# Altium PCB foxbms2-master.PcbDoc (part 9 of 11)
Units mil, origin at the board's own origin, x right, y up, seen from the top; angles counter-clockwise.
Board outline 7874.02 x 4724.41 mil, 8 copper layers (Top, Int1 (Sig), Int2 (Gnd), Int3 (Sig), Int4 (Sig), Int5 (Pwr), Int6 (Sig), Bottom), stack 64.41 mil thick; 912 components, 680 nets, 3159 pads, 2871 vias.
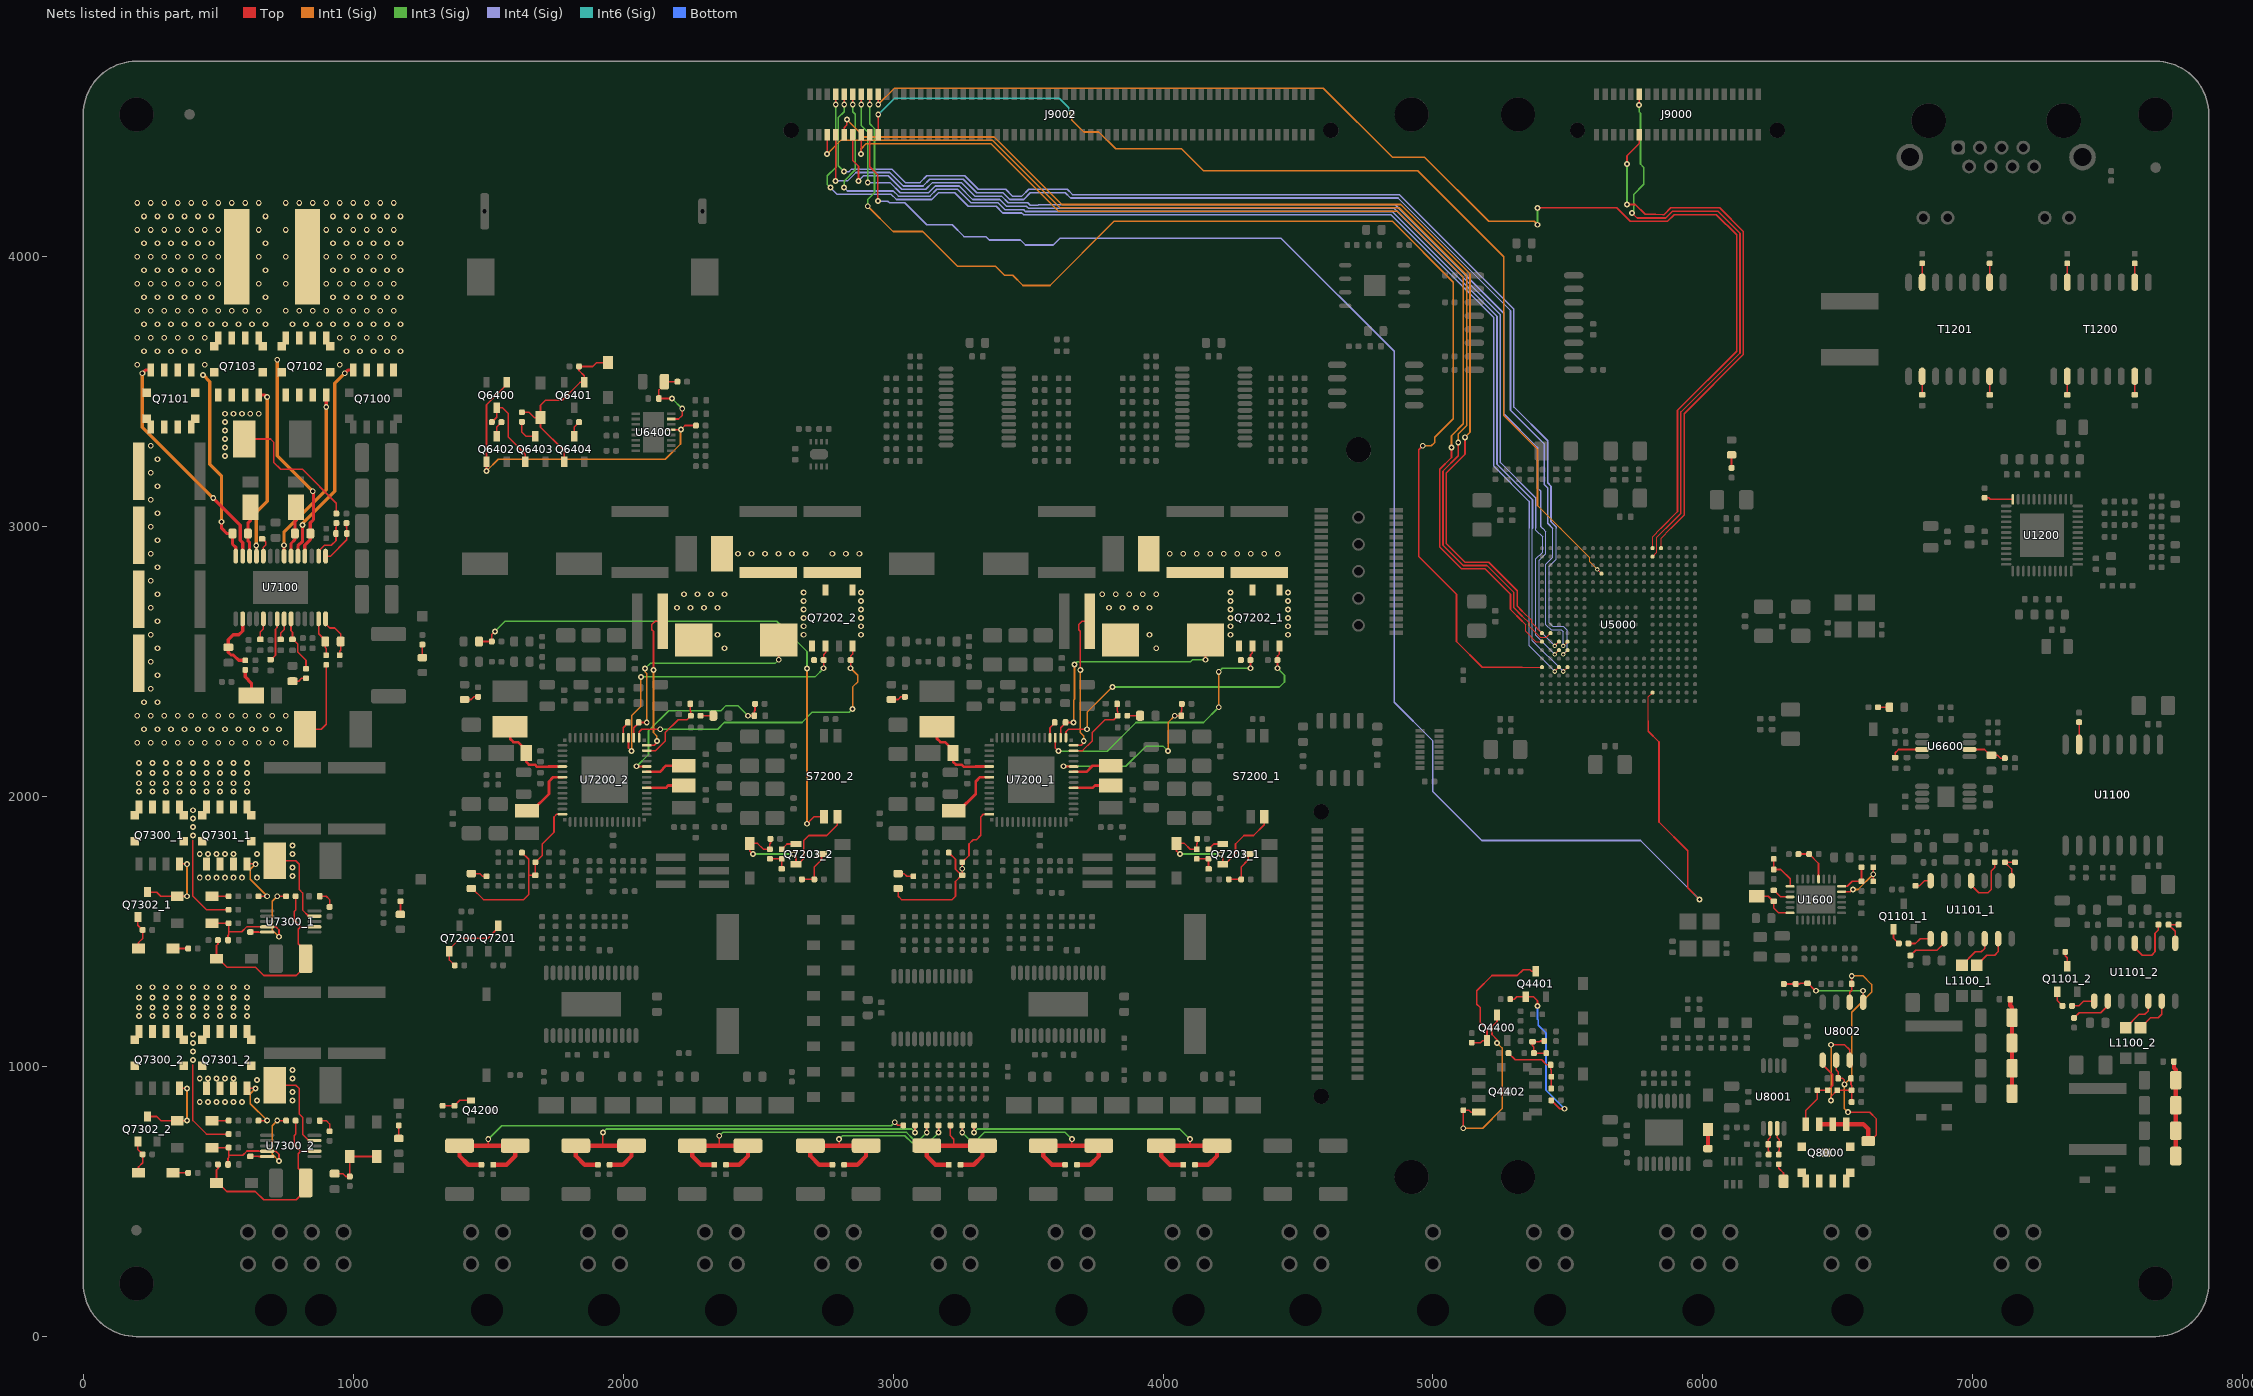
[diagram p15: the nets of this part, all layers, seen from the top]

## Via types
v1: diameter 21.65, hole 11.81, Top to Bottom, 1680 vias
v2: diameter 21.65, hole 11.81, Top to Bottom, tented both sides, 970 vias
v3: diameter 17.72, hole 7.87, Top to Bottom, tented both sides, 172 vias
v4: diameter 17.72, hole 7.87, Top to Bottom, 23 vias
v5: diameter 29.53, hole 19.68, Top to Bottom, tented both sides, 17 vias
v6: diameter 29.53, hole 19.68, Top to Bottom, 9 vias

## Nets (pads, with @x,y where several pads share a name; then routed paths per layer and width w, separated by ;. In a path a pad name is that pad's centre, name@x,y a point inside that pad or via, vN(x,y) a via of type N, cw(c..) or ccw(c..) an arc to the next point about the centre after c; other vN are vias at no path point) (continued)
MCU_SPI4.SIMO_1: J9000.12 U5000.W5 | length 2069.7
  Top w4: U5000.W5@5844.98,2920.96 5844.98,2957.48 5881.25,2993.75
  Top w6: v1(5718.75,4193.75) 5750,4193.75 5786.44,4157.31 5825.04,4157.31 5851.28,4156.25 5856.25,4156.25 5858.01,4158.01 5881.25,4181.25 6062.5,4181.25 6150,4093.75 6150,3637.88 5931.25,3419.13 5931.25,3043.75 5881.25,2993.75 ; v1(5718.75,4343.75) 5718.75,4374.37 5763.78,4419.4 J9000.12@5763.78,4452.76
  Int3 (Sig) w6: v1(5718.75,4193.75) v1(5718.75,4343.75)
MCU_SPI4.SOMI_1: J9000.11 U5000.V6 | length 2249.2
  Top w4: U5000.V6@5813.48,2889.47 5829.23,2905.22 5829.23,2960.48 5862.5,2993.75
  Top w6: v1(5737.5,4162.5) 5756.25,4143.75 5862.5,4143.75 5887.5,4168.75 6056.25,4168.75 6137.5,4087.5 6137.5,3643.75 5918.75,3425 5918.75,3050 5862.5,2993.75 ; v1(5763.78,4562.5) J9000.11@5763.78,4602.36
  Int3 (Sig) w6: v1(5737.5,4162.5) 5737.5,4166.74 5743.75,4172.99 5743.75,4231.25 5781.25,4268.75 5781.25,4331.25 5768.75,4343.75 5768.75,4532.53 5763.78,4537.5 v1(5763.78,4562.5)
MCU_SPI5.\CS0_1: J9002.15 U5000.E19 | length 4730.7
  Top w4: 5331.25,2480.02 U5000.E19@5404.04,2480.02
  Top w6: v1(2913.39,4564.86) J9002.15@2913.39,4602.36 ; v1(4962.5,3300) 4947.87,3285.37 ccw(c5045.69,3276.8) 4947.5,3276.95 4947.5,2890 5087.5,2750 5087.5,2575 5182.48,2480.02 5331.25,2480.02
  Int3 (Sig) w6: v1(2906.25,4187.5) 2906.25,4212.5 2931.25,4237.5 2931.25,4475 2913.39,4492.86 v1(2913.39,4564.86)
  Int1 (Sig) w6: v1(2906.25,4187.5) 3000,4093.75 3109.81,4093.75 3237.88,3965.67 3378.08,3965.67 3412.5,3931.25 3443.75,3931.25 3481.25,3893.75 3581.25,3893.75 3818.75,4131.25 4850,4131.25 5075,3906.25 5075,3400 5006.25,3331.25 5006.25,3312.5 4993.75,3300 v1(4962.5,3300)
MCU_SPI5.\CS1_1: J9002.16 U5000.B6 | length 6118.6
  Top w4: 5797.74,2281.25 5797.74,2369.78 U5000.B6@5813.48,2385.53
  Top w6: J9002.16@2913.39,4452.76 2913.39,4333.54 2943.75,4303.17 v1(2943.75,4206.25) ; 5797.74,2281.25 5797.74,2242.29 5837.5,2202.53 5837.5,1906.25 5943.75,1800 5943.75,1662.5 v1(5987.5,1618.75)
  Int4 (Sig) w6: v1(2943.75,4206.25) 2980.24,4206.25 2986.49,4200 3043.75,4200 3125,4118.75 3218.75,4118.75 3262.5,4075 3343.75,4075 3356.25,4062.5 3471.83,4062.5 3490.58,4043.75 3593.75,4043.75 3618.75,4068.75 4437.5,4068.75 4856.25,3650 4856.25,2669.17 4856.25,2350 5000,2206.25 5000,2018.75 5181.25,1837.5 5768.75,1837.5 v1(5987.5,1618.75)
MCU_SPI5.\CS2_1: J9002.17 U5000.W6 | length 4866.2
  Top w4: U5000.W6@5813.48,2920.96 5813.48,2963.48 5843.75,2993.75
  Top w6: v1(2944.88,4564.86) J9002.17@2944.88,4602.36 ; v1(5387.5,4181.25) 5681.25,4181.25 5731.25,4131.25 5868.75,4131.25 5893.75,4156.25 6050,4156.25 6125,4081.25 6125,3650 5906.25,3431.25 5906.25,3056.25 5843.75,2993.75
  Int3 (Sig) w6: v1(5387.5,4118.75) v1(5387.5,4181.25)
  Int1 (Sig) w6: v1(2944.88,4564.86) 3005.02,4625 4593.75,4625 4850,4368.75 4968.75,4368.75 5206.25,4131.25 5375,4131.25 v1(5387.5,4118.75)
MCU_SPI5.\CS3_1: J9002.18 U5000.T12 | length 4003.8
  Top w4: v3(5608.76,2842.22) U5000.T12@5624.51,2826.48
  Top w6: J9002.18@2944.88,4452.76 v1(2944.88,4527.36)
  Int1 (Sig) w4: 5472.4,2993.75 5581.34,2884.82 5581.34,2869.65 v3(5608.76,2842.22)
  Int1 (Sig) w6: v1(3662.5,4531.25) 3662.5,4506.25 3706.25,4462.5 3762.5,4462.5 3825,4400 4068.75,4400 4150,4318.75 4943.75,4318.75 5262.5,4000 5262.5,3412.5 5387.5,3287.5 5387.5,3078.65 5472.4,2993.75
  Int6 (Sig) w6: v1(2944.88,4527.36) 3005.02,4587.5 3615.16,4587.5 3650.81,4551.84 3650.81,4542.94 v1(3662.5,4531.25)
MCU_SPI5.CLK_1: J9002.14 U5000.H19 | length 4141.8
  Top w4: 5331.25,2650 5343.75,2637.5 5343.75,2612.5 5381.74,2574.51 U5000.H19@5404.04,2574.51
  Top w6: v1(2881.59,4381.25) 2881.89,4381.55 J9002.14@2881.89,4452.76 ; v1(5068.75,3293.75) 5068.75,3256.25 5025,3212.5 5025,2925 5106.25,2843.75 5193.75,2843.75 5287.5,2750 5287.5,2693.75 5331.25,2650
  Int1 (Sig) w6: v1(2881.59,4381.25) 2881.59,4400.34 2900,4418.75 3362.5,4418.75 3612.5,4168.75 4868.75,4168.75 5112.5,3925 5112.5,3381.25 5068.75,3337.5 v1(5068.75,3293.75)
MCU_SPI5.SIMO0_1: J9002.10 U5000.J19 | length 4170.9
  Top w4: 5331.25,2687.5 5365.42,2653.33 5365.42,2644.62 U5000.J19@5404.04,2606
  Top w6: J9002.10@2818.9,4452.76 2818.9,4478.41 2828.74,4488.25 v1(2828.74,4508.61) ; v1(5118.75,3331.25) 5118.75,3268.75 5050,3200 5050,2937.5 5118.75,2868.75 5206.25,2868.75 5312.5,2762.5 5312.5,2706.25 5331.25,2687.5
  Int1 (Sig) w6: v1(2828.74,4508.61) 2893.6,4443.75 3375,4443.75 3625,4193.75 4881.25,4193.75 5137.5,3937.5 5137.5,3350 v1(5118.75,3331.25)
MCU_SPI5.SIMO1_1: J9002.11 U5000.E16 | length 4443.6
  Top w4: v3(5482.78,2464.27) U5000.E16@5498.52,2480.02
  Top w6: v1(2850.39,4564.86) J9002.11@2850.39,4602.36
  Int3 (Sig) w6: v1(2818.75,4256.25) 2818.75,4281.25 2859.94,4322.44 2859.94,4378.51 cw(c2881.59,4381.25) 2859.94,4383.99 2859.94,4527.66 2850.39,4537.2 v1(2850.39,4564.86)
  Int4 (Sig) w4: 5368.75,2993.75 5368.75,2578.3 v3(5482.78,2464.27)
  Int4 (Sig) w6: v1(2818.75,4256.25) 2831.25,4243.75 3001.08,4243.75 3019.83,4225 3137.16,4225 3162.16,4250 3238.39,4250 3288.39,4200 3388.85,4200 3414.68,4174.18 3483.68,4174.18 3489.87,4167.99 4849.69,4167.99 5237.5,3780.18 5237.5,3231.25 5368.75,3100 5368.75,2993.75
MCU_SPI5.SIMO2_1: J9002.12 U5000.H17 | length 4165.5
  Top w4: v3(5451.28,2558.76) U5000.H17@5467.03,2574.51
  Top w6: J9002.12@2850.39,4452.76 2850.39,4356.64 2871.75,4335.29 v1(2871.75,4281.25)
  Int4 (Sig) w4: 5406.25,2993.75 5418.75,2981.25 5418.75,2900 5393.75,2875 5393.75,2616.29 v3(5451.28,2558.76)
  Int4 (Sig) w6: v1(2871.75,4281.25) 2890.5,4300 2982.58,4300 3032.58,4250 3121.06,4250 3146.06,4275 3252.85,4275 3302.85,4225 3401.35,4225 3426.35,4200 3499.35,4200 3508.68,4190.67 3536.25,4190.67 3538.57,4192.99 4860.04,4192.99 5262.5,3790.53 5262.5,3418.75 5387.5,3293.75 5387.5,3143.75 5400,3131.25 5400,3000 5406.25,2993.75
MCU_SPI5.SIMO3_1: J9002.13 U5000.G17 | length 4289.2
  Top w4: v3(5451.28,2527.26) U5000.G17@5467.03,2543.01
  Top w6: v1(2881.89,4564.86) J9002.13@2881.89,4602.36
  Int3 (Sig) w6: v1(2881.89,4564.86) 2881.89,4486.86 2906.25,4462.5 v1(2906.25,4275)
  Int4 (Sig) w4: 5381.25,2993.75 5381.25,2987.5 5406.25,2962.5 5406.25,2906.25 5381.25,2881.25 5381.25,2597.29 v3(5451.28,2527.26)
  Int4 (Sig) w6: v1(2906.25,4275) 2988.58,4275 3026.08,4237.5 3130.91,4237.5 3155.91,4262.5 3244.64,4262.5 3294.64,4212.5 3395.1,4212.5 3420.1,4187.5 3493.75,4187.5 3500.76,4180.49 4854.86,4180.49 5250,3785.36 5250,3237.88 5381.25,3106.63 5381.25,2993.75
MCU_SPI5.SOMI0_1: J9002.6 U5000.J18 | length 4290.7
  Top w4: 5331.25,2668.75 5356.25,2643.75 5356.25,2631.25 5396.69,2590.81 5420.34,2590.81 U5000.J18@5435.53,2606
  Top w6: v1(2755.61,4381.25) 2755.91,4381.55 J9002.6@2755.91,4452.76 ; v1(5093.75,3312.5) 5093.75,3262.5 5037.5,3206.25 5037.5,2931.25 5112.5,2856.25 5200,2856.25 5300,2756.25 5300,2700 5331.25,2668.75
  Int1 (Sig) w6: v1(2755.61,4381.25) 2805.61,4431.25 3368.75,4431.25 3618.75,4181.25 4875,4181.25 5125,3931.25 5125,3375 5093.75,3343.75 v1(5093.75,3312.5)
MCU_SPI5.SOMI1_1: J9002.7 U5000.E17 | length 4467.7
  Top w4: v3(5451.28,2464.27) U5000.E17@5467.03,2480.02
  Top w6: v1(2787.4,4564.86) J9002.7@2787.4,4602.36
  Int3 (Sig) w6: v1(2767.86,4256.25) 2756.25,4267.86 2756.25,4300 2787.11,4330.86 2787.11,4564.57 v1(2787.4,4564.86)
  Int4 (Sig) w4: 5356.25,2993.75 5356.25,2559.3 v3(5451.28,2464.27)
  Int4 (Sig) w6: v1(2767.86,4256.25) 2792.86,4231.25 2993.75,4231.25 3012.5,4212.5 3143.41,4212.5 3168.41,4237.5 3228.54,4237.5 3278.54,4187.5 3381.78,4187.5 3406.78,4162.5 3477.36,4162.5 3484.37,4155.49 4844.51,4155.49 5225,3775 5225,3225 5356.25,3093.75 5356.25,2993.75
MCU_SPI5.SOMI2_1: J9002.8 U5000.H16 | length 4326.3
  Top w4: v3(5482.78,2558.76) U5000.H16@5498.52,2574.51
  Top w6: v1(2787.11,4281.25) 2787.4,4281.55 J9002.8@2787.4,4452.76
  Int4 (Sig) w4: 5443.75,2993.75 5443.75,2886.22 5418.75,2861.22 5418.75,2637.5 5437.5,2618.75 5475,2618.75 5482.78,2610.97 v3(5482.78,2558.76)
  Int4 (Sig) w6: v1(2787.11,4281.25) 2831.25,4281.25 2862.5,4312.5 2987.5,4312.5 3037.5,4262.5 3111.22,4262.5 3136.22,4287.5 3259.79,4287.5 3309.79,4237.5 3407.6,4237.5 3432.6,4212.5 3483.68,4212.5 3508.68,4237.5 3638.13,4237.5 3657.64,4217.99 4870.4,4217.99 5287.5,3800.89 5287.5,3431.25 5412.5,3306.25 5412.5,3156.25 5425,3143.75 5425,3012.5 5443.75,2993.75
MCU_SPI5.SOMI3_1: J9002.9 U5000.G16 | length 4478.8
  Top w4: v3(5482.78,2527.26) U5000.G16@5498.52,2543.01
  Top w6: v1(2818.9,4564.86) J9002.9@2818.9,4602.36
  Int3 (Sig) w6: v1(2818.75,4315.67) 2797.11,4337.32 2797.11,4516 2818.9,4537.8 v1(2818.9,4564.86)
  Int4 (Sig) w4: 5456.25,2993.75 5456.25,2878.69 5431.25,2853.69 5431.25,2643.75 5443.75,2631.25 5482.78,2631.25 5497.63,2616.39 5497.63,2542.12 v3(5482.78,2527.26)
  Int4 (Sig) w6: v1(2818.75,4315.67) 2837.03,4315.67 2846.36,4325 2995.08,4325 3045.08,4275 3100,4275 3125,4300 3265.35,4300 3315.35,4250 3417.03,4250 3442.03,4225 3477.36,4225 3502.36,4250 3645.14,4250 3664.65,4230.49 4875.57,4230.49 5300,3806.07 5300,3443.75 5425,3318.75 5425,3162.5 5437.5,3150 5437.5,3018.75 5456.25,3000 5456.25,2993.75
NetC1106_1_2: C1106_1.2 R1110_1.1 R1111_1.1 R1112_1.1 R1113_1.1 | length 352.8
  Top w16: C1106_1.2@7138.83,1250 7138.83,1226.44 7145.57,1219.7 R1110_1.1@7145.57,1181.25 R1111_1.1@7145.57,1087.5 R1112_1.1@7145.57,993.75 R1113_1.1@7145.57,900
NetC1106_2_2: C1106_2.2 R1110_2.1 R1111_2.1 R1112_2.1 R1113_2.1 | length 352.8
  Top w16: C1106_2.2@7745.08,1018.75 7745.08,995.19 7751.82,988.45 R1110_2.1@7751.82,950 R1111_2.1@7751.82,856.25 R1112_2.1@7751.82,762.5 R1113_2.1@7751.82,668.75
NetC1220_2: C1220.2 T1200.2 | length 68.2
  Top w6: C1220.2@7350,3488.83 T1200.2@7350,3557.04
NetC1221_2: C1221.2 T1200.7 | length 68.2
  Top w6: C1221.2@7600,3488.83 T1200.7@7600,3557.04
NetC1222_2: C1222.2 T1201.2 | length 68.2
  Top w6: C1222.2@6812.5,3488.83 T1201.2@6812.5,3557.04
NetC1223_2: C1223.2 T1201.7 | length 68.2
  Top w6: C1223.2@7062.5,3488.83 T1201.7@7062.5,3557.04
NetC1604_1: C1604.1 U1600.11 | length 70.7
  Top w6: C1604.1@6262.5,1652.66 6264.47,1652.66 6288.53,1628.59 U1600.11@6323.28,1628.59
NetC1604_2: C1604.2 L1600.1 U1600.14 | length 163.5
  Top w6: L1600.1@6200,1631.25 6241.78,1631.25 6260.53,1612.5 C1604.2@6262.5,1612.5 6262.5,1587.5 6280.46,1569.54 U1600.14@6323.28,1569.54
NetC4400_2: C4400.2 R4401.1 R4404.1 R4405.2 | length 262.6
  Top w6: R4404.1@5280.22,1050 5305.22,1025 5403.19,1025 5421.94,1006.25 C4400.2@5436.17,1006.25 5436.17,990.05 5438.53,987.68 R4405.2@5438.53,962.5 5438.53,947.67 R4401.1@5438.53,918.75
NetC4401_2: C4401.2 R4403.1 R4406.1 R4407.2 | length 135.1
  Top w6: R4403.1@5412.5,1094.78 5397.67,1094.78 5395.31,1092.42 C4401.2@5368.75,1092.42 5368.75,1078.18 5373.97,1072.97 R4406.1@5373.97,1050 R4407.2@5419.78,1050
NetC6400_2: C6400.2 C6402.2 R6407.1 U6400.15 | length 291
  Top w6: U6400.15@2179.04,3399.21 2205.46,3399.21 2218.75,3412.5 v2(2218.75,3437.5) ; v2(2181.25,3475) C6400.2@2132.58,3475 2132.58,3506.4 2152.85,3526.67 C6402.2@2152.85,3537.5 R6407.1@2201.03,3537.5
  Int3 (Sig) w6: v2(2181.25,3475) v2(2218.75,3437.5)
NetC6601_2: C6601.2 U6600.3 | length 122.4
  Top w6: C6601.2@6712.5,2145.08 6712.5,2162.5 6724.7,2174.7 U6600.3@6812.4,2174.7
NetC6603_2: C6603.2 R6604.2 U6600.6 | length 144.4
  Top w6: U6600.6@6987.6,2174.7 7043.65,2174.7 7064.81,2153.54 C6603.2@7068.75,2153.54 7091.45,2153.54 7102.28,2142.72 R6604.2@7118.75,2142.72
NetC7000_2: C7000.2 D7004.2 D7006.2 R7005.1 | length 234.9
  Top w6: C7000.2@931.25,603.54 961.85,603.54 972.67,592.72 R7005.1@987.5,592.72 D7006.2@987.5,666.88 D7004.2@1087.5,666.88
NetC7105_2: C7105.2 C7106.2 C7107.2 C7108.2 Q7101.D R7100.2 R7102.2 | length 305.9
  Top w6: R7100.2@821.65,2250 881.25,2250 900,2268.75 R7102.2@900,2488.53
  other v1: 200,2200 250,2200 300,2200 350,2200 400,2200 450,2200 500,2200 550,2200 600,2200 650,2200 700,2200 750,2200 225,2250 275,2250 325,2250 375,2250 425,2250 475,2250 525,2250 575,2250 625,2250 675,2250 725,2250 200,2300 250,2300 300,2300 350,2300 400,2300 450,2300 500,2300 550,2300 600,2300 650,2300 700,2300 750,2300 225,2350 275,2350 250,2400 275,2450 250,2500 275,2550 250,2600 275,2650 250,2700 275,2750 250,2800 275,2850 250,2900 275,2950 250,3000 275,3050 250,3100 275,3150 250,3200 275,3250 250,3300
NetC7109_2: C7109.2 R7104.1 U7100.2 | length 232.8
  Top w12: U7100.2@590.5,2658.86 590.5,2613.78 576.18,2599.46 555.71,2599.46 537.5,2581.25 C7109.2@537.5,2553.54 537.5,2534.78 547.28,2525 556.25,2525 576.03,2505.22 R7104.1@600,2505.22
NetC7110_1: C7110.1 R7102.1 U7100.13 | length 146.5
  Top w6: U7100.13@872,2658.86 872,2603.4 896.46,2578.94 C7110.1@896.46,2575 896.46,2552.3 900,2548.76 R7102.1@900,2523.97
NetC7110_2: C7110.2 R7101.1 U7100.14 | length 170.4
  Top w6: U7100.14@897.59,2658.86 897.59,2640.16 912.75,2625 931.25,2625 953.54,2602.71 C7110.2@953.54,2575 953.54,2542.34 950,2538.79 R7101.1@950,2523.97
NetC7111_1: C7111.1 D7101.1 U7100.26 | length 188
  Top w12: U7100.26@616.09,2891.14 616.09,2941.72 609.79,2948.02 C7111.1@609.79,2975 609.79,3012.58 618.75,3021.54 D7101.1@618.75,3072.79
NetC7111_2: C7111.2 L7100.1 Q7101.S Q7103.D U7100.28 | length 734.1
  Top w12: v2(512.5,3018.75) 512.5,2993.75 531.25,2975 C7111.2@552.71,2975 552.71,2935.95 564.91,2923.74 U7100.28@564.91,2891.14
  Int1 (Sig) w12: v1(443.75,3562.5) 468.75,3537.5 468.75,3231.25 512.5,3187.5 v2(512.5,3018.75)
  other v1: 200,3600 450,3600 225,3650 275,3650 325,3650 375,3650 425,3650 200,3700 250,3700 300,3700 350,3700 400,3700 450,3700 225,3750 275,3750 325,3750 375,3750 425,3750 475,3750 525,3750 575,3750 625,3750 675,3750 200,3800 250,3800 300,3800 350,3800 400,3800 450,3800 500,3800 550,3800 600,3800 650,3800 225,3850 275,3850 325,3850 375,3850 425,3850 475,3850 675,3850 200,3900 250,3900 300,3900 350,3900 400,3900 450,3900 500,3900 650,3900 225,3950 275,3950 325,3950 375,3950 425,3950 475,3950 675,3950 200,4000 250,4000 300,4000 350,4000 400,4000 450,4000 500,4000 650,4000 225,4050 275,4050 325,4050 375,4050 425,4050 475,4050 675,4050 200,4100 250,4100 300,4100 350,4100 400,4100 450,4100 500,4100 650,4100 225,4150 275,4150 325,4150 375,4150 425,4150 475,4150 675,4150 200,4200 250,4200 300,4200 350,4200 400,4200 450,4200 500,4200 550,4200 600,4200 650,4200
NetC7112_1: C7112.1 R7109.2 U7100.15 | length 166.4
  Top w6: U7100.15@897.59,2891.14 916.14,2891.14 976.33,2951.33 C7112.1@976.33,2975 976.33,2997.38 975,2998.71 R7109.2@975,3013.53
NetC7112_2: C7112.2 R7107.2 U7100.16 | length 164.4
  Top w6: U7100.16@872,2891.14 872,2909.84 893.41,2931.25 918.75,2931.25 936.17,2948.67 C7112.2@936.17,2975 936.17,2997.38 937.5,2998.71 R7107.2@937.5,3013.53
NetC7113_1: C7113.1 U7100.8 | length 81.6
  Top w6: C7113.1@731.25,2582.58 731.25,2606.25 744.05,2619.05 U7100.8@744.05,2658.86
NetC7114_1: C7114.1 U7100.24 | length 74.2
  Top w6: C7114.1@662.5,2954.92 664.47,2954.92 676.03,2943.36 676.03,2932.28 667.27,2923.52 U7100.24@667.27,2891.14
NetC7115_1: C7115.1 D7102.1 U7100.20 | length 189
  Top w12: U7100.20@769.64,2891.14 769.64,2937.98 783.96,2952.3 C7115.1@783.96,2975 783.96,3018 787.5,3021.54 D7102.1@787.5,3072.79
NetC7115_2: C7115.2 L7100.2 Q7100.S Q7102.D U7100.18 | length 796.5
  Top w12: U7100.18@820.82,2891.14 820.82,2932.14 840.98,2952.3 841.04,2952.3 C7115.2@841.04,2975 841.04,3014.68 852.85,3026.49 852.85,3128.4 v2(850,3131.25)
  Int1 (Sig) w12: v1(718.75,3618.75) 718.75,3262.5 v2(850,3131.25)
  other v1: 950,3600 975,3650 1025,3650 1075,3650 1125,3650 1175,3650 950,3700 1000,3700 1050,3700 1100,3700 1150,3700 775,3750 825,3750 875,3750 925,3750 975,3750 1025,3750 1075,3750 1125,3750 1175,3750 750,3800 800,3800 850,3800 900,3800 950,3800 1000,3800 1050,3800 1100,3800 1150,3800 925,3850 975,3850 1025,3850 1075,3850 1125,3850 1175,3850 750,3900 900,3900 950,3900 1000,3900 1050,3900 1100,3900 1150,3900 925,3950 975,3950 1025,3950 1075,3950 1125,3950 1175,3950 750,4000 900,4000 950,4000 1000,4000 1050,4000 1100,4000 1150,4000 925,4050 975,4050 1025,4050 1075,4050 1125,4050 1175,4050 750,4100 900,4100 950,4100 1000,4100 1050,4100 1100,4100 1150,4100 925,4150 975,4150 1025,4150 1075,4150 1125,4150 1175,4150 750,4200 800,4200 850,4200 900,4200 950,4200 1000,4200 1050,4200 1100,4200 1150,4200
NetC7117_2: C7117.2 U7100.5 | length 80.8
  Top w6: C7117.2@656.25,2582.58 656.25,2611.28 667.27,2622.31 U7100.5@667.27,2658.86
NetC7118_2: C7118.2 U7100.7 | length 162.7
  Top w6: C7118.2@693.75,2507.58 695.72,2507.58 712.05,2523.91 712.05,2620.89 718.45,2627.3 U7100.7@718.45,2658.86
NetC7119_2: C7119.2 R7114.2 U7100.9 | length 209
  Top w6: U7100.9@769.64,2658.86 769.64,2614.68 775,2609.32 C7119.2@775,2582.58 776.97,2582.58 794.2,2565.34 794.2,2536.01 825,2505.22 R7114.2@825,2473.97
NetC7120_2: C7120.2 R7114.1 | length 54.5
  Top w6: C7120.2@775,2427.71 797.7,2427.71 808.53,2438.53 R7114.1@825,2438.53
NetC7200_1: C7200.1 R7210.1 | length 47.5
  Top w6: R7210.1@3867.72,2300 C7200.1@3915.21,2300
NetC7201_1: C7201.1 R7210.2 U7200_1.41 | length 280.3
  Top w6: U7200_1.41@3668.52,2170.77 3702.02,2170.77 3737.5,2206.25 3737.5,2237.5 3785.17,2285.17 3817.46,2285.17 R7210.2@3832.28,2300 3832.28,2314.83 3829.92,2317.19 C7201.1@3829.92,2343.75
NetC7202_1: C7202.1 R7222.1 | length 47.5
  Top w6: R7222.1@2286.47,2300 C7202.1@2333.96,2300
NetC7203_1: C7203.1 R7222.2 U7200_2.41 | length 280.3
  Top w6: U7200_2.41@2087.27,2170.77 2120.77,2170.77 2156.25,2206.25 2156.25,2237.5 2203.92,2285.17 2236.21,2285.17 R7222.2@2251.03,2300 2251.03,2314.83 2248.67,2317.19 C7203.1@2248.67,2343.75
NetC7208_1_2: C7208_1.2 C7209_1.2 L7200_1.2 Q7202_1.7
  other v1: 4250,2600 4250,2631.25 4250,2662.5 4250,2693.75 4250,2725 4250,2756.25 4025,2900 4075,2900 4125,2900 4175,2900 4225,2900 4275,2900 4325,2900 4375,2900 4425,2900
NetC7208_2_2: C7208_2.2 C7209_2.2 L7200_2.2 Q7202_2.7
  other v1: 2668.75,2600 2668.75,2631.25 2668.75,2662.5 2668.75,2693.75 2668.75,2725 2668.75,2756.25 2425,2900 2475,2900 2525,2900 2575,2900 2625,2900 2675,2900 2775,2900 2825,2900 2875,2900
NetC7214_1_1: C7214_1.1 U7200_1.46 | length 63.6
  Top w6: U7200_1.46@3581.4,2218.52 3581.4,2255.76 3598.67,2273.03 C7214_1.1@3598.67,2275
NetC7214_1_2: C7214_1.2 L7201_1.1 Q7202_1.1 Q7202_1.5 R7227_1.2 U7200_1.44 | length 876.3
  Top w6: U7200_1.44@3620.77,2218.52 3620.77,2254.97 3638.83,2273.03 C7214_1.2@3638.83,2275 v2(3668.75,2275) ; v2(4157.48,2507.48) L7201_1.1@4157.48,2581.25
  Int3 (Sig) w6: v1(3671.92,2489.27) 3682.66,2500 4102.16,2500 4109.64,2507.48 v2(4157.48,2507.48)
  Int1 (Sig) w6: v2(3668.75,2275) 3668.75,2357.93 3671.92,2361.1 v1(3671.92,2489.27)
  other v1: 4462.5,2600 4462.5,2631.25 4462.5,2662.5 4462.5,2693.75 4462.5,2725 4462.5,2756.25
NetC7214_2_1: C7214_2.1 U7200_2.46 | length 63.6
  Top w6: U7200_2.46@2000.15,2218.52 2000.15,2255.76 2017.42,2273.03 C7214_2.1@2017.42,2275
NetC7214_2_2: C7214_2.2 L7201_2.1 Q7202_2.1 Q7202_2.5 R7227_2.2 U7200_2.44 | length 878.7
  Top w6: U7200_2.44@2039.52,2218.52 2039.52,2254.97 2057.58,2273.03 C7214_2.2@2057.58,2275 v2(2087.5,2275) ; v2(2576.23,2507.48) L7201_2.1@2576.23,2581.25
  Int3 (Sig) w6: v1(2081.25,2475) 2100,2493.75 2562.5,2493.75 v2(2576.23,2507.48)
  Int1 (Sig) w6: v1(2081.25,2475) 2081.25,2462.5 2087.5,2456.25 v2(2087.5,2275)
  other v1: 2881.25,2600 2881.25,2631.25 2881.25,2662.5 2881.25,2693.75 2881.25,2725 2881.25,2756.25
NetC7217_2_2: C7217_2.2 R7229_2.2 S7200_2.1 | length 2018.5
  Top w6: C7217_2.2@1466.04,2575 R7229_2.2@1513.53,2575 1513.53,2601.03 v2(1525,2612.5) ; v2(2681.25,1900) 2706.25,1925 S7200_2.1@2743.75,1925
  Int3 (Sig) w6: v2(1525,2612.5) 1562.5,2650 2568.75,2650 2681.25,2537.5 v1(2681.25,2475)
  Int1 (Sig) w6: v2(2681.25,1900) v1(2681.25,2475)
NetC7227_1_2: C7227_1.2 R7232_1.1 U7200_1.38 | length 673.9
  Top w6: v2(3631.25,2112.5) 3632.04,2111.71 U7200_1.38@3668.52,2111.71 ; v2(4043.75,2300) C7227_1.2@4067.42,2300 4067.42,2316.2 4069.78,2318.57 R7232_1.1@4069.78,2343.75
  Int3 (Sig) w6: v2(3631.25,2112.5) 3862.5,2112.5 3937.5,2187.5 4000,2187.5 v1(4018.75,2168.75)
  Int1 (Sig) w6: v1(4018.75,2168.75) 4018.75,2275 v2(4043.75,2300)
NetC7227_2_2: C7227_2.2 R7232_2.1 U7200_2.38 | length 678.5
  Top w6: v2(2050,2112.5) 2050.79,2111.71 U7200_2.38@2087.27,2111.71 ; v2(2462.5,2300) C7227_2.2@2486.17,2300 2486.17,2316.2 2488.53,2318.57 R7232_2.1@2488.53,2343.75
  Int3 (Sig) w6: v2(2050,2112.5) 2093.75,2156.25 2093.75,2243.75 2168.75,2318.75 2362.5,2318.75 2381.25,2337.5 2425,2337.5 v2(2462.5,2300)
NetC7231_1_2: C7231_1.2 R7233_1.1 R7234_1.1 | length 81
  Top w6: R7233_1.1@4125,1769.78 R7234_1.1@4168.75,1769.78 C7231_1.2@4168.75,1732.58
NetC7231_2_2: C7231_2.2 R7233_2.1 R7234_2.1 | length 81
  Top w6: R7233_2.1@2543.75,1769.78 R7234_2.1@2587.5,1769.78 C7231_2.2@2587.5,1732.58